# Altium PCB mib-pcb0009.PcbDoc (part 1 of 2) (continued)
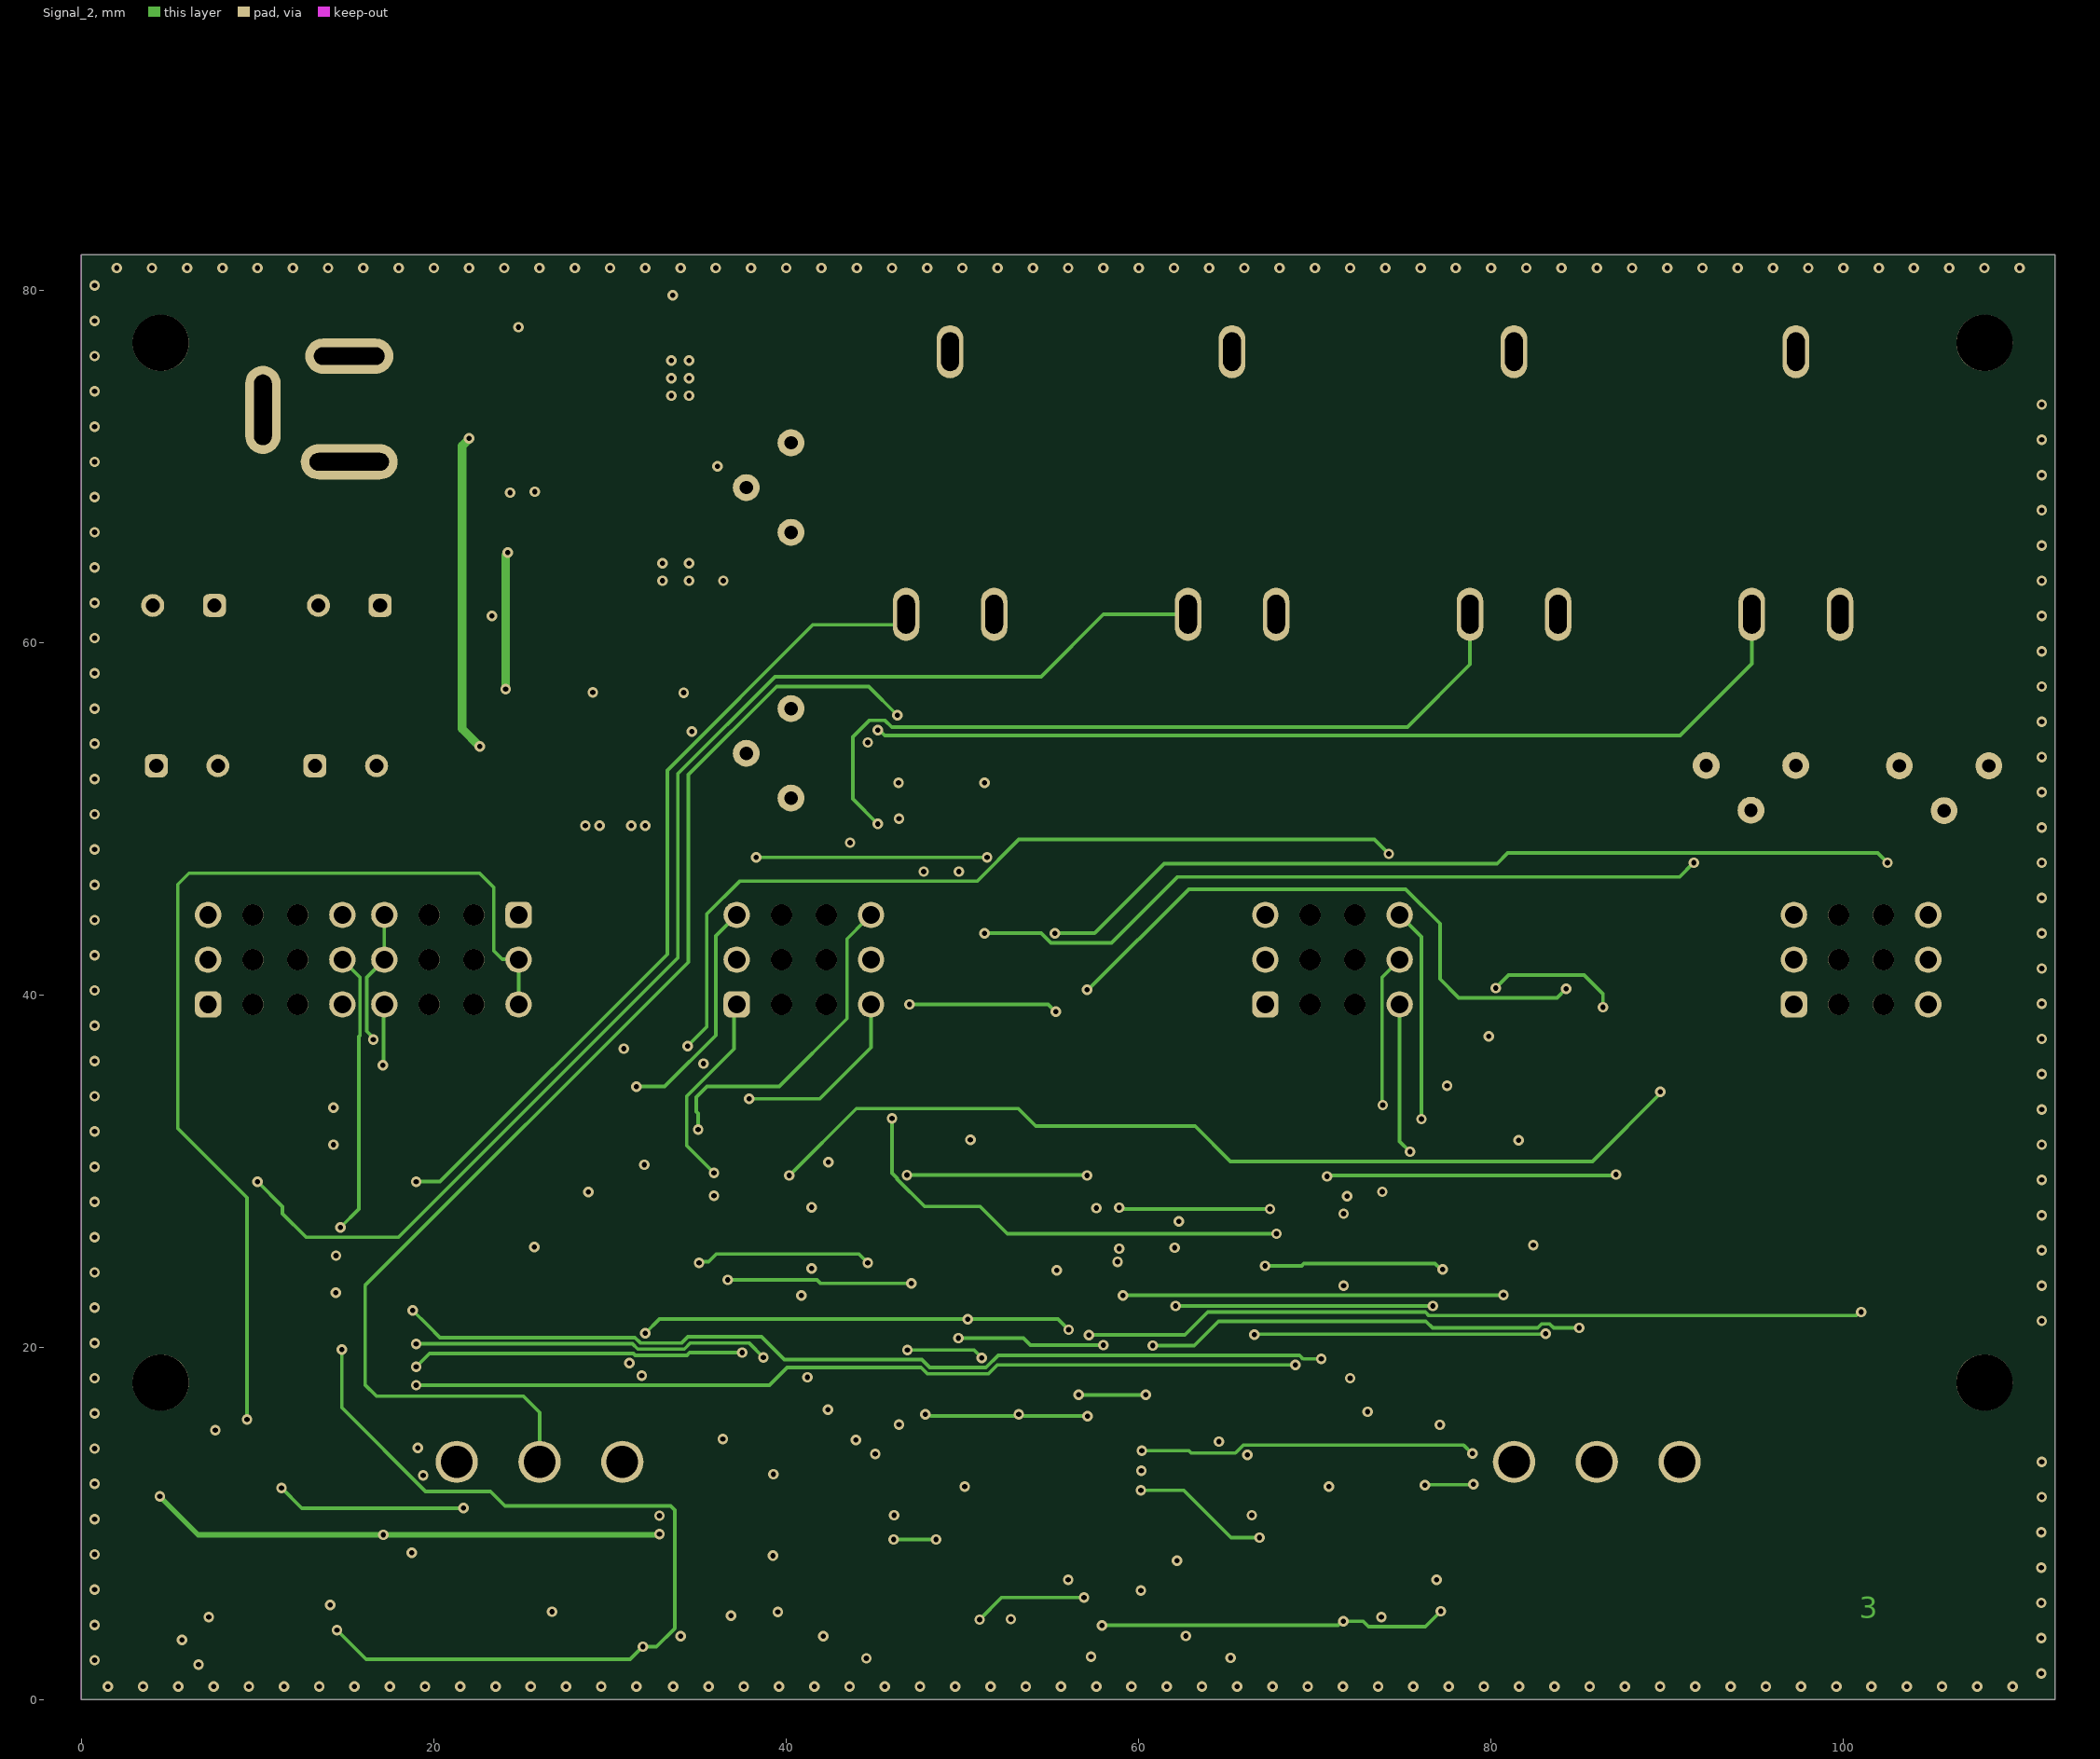
[diagram p3: Signal_2]
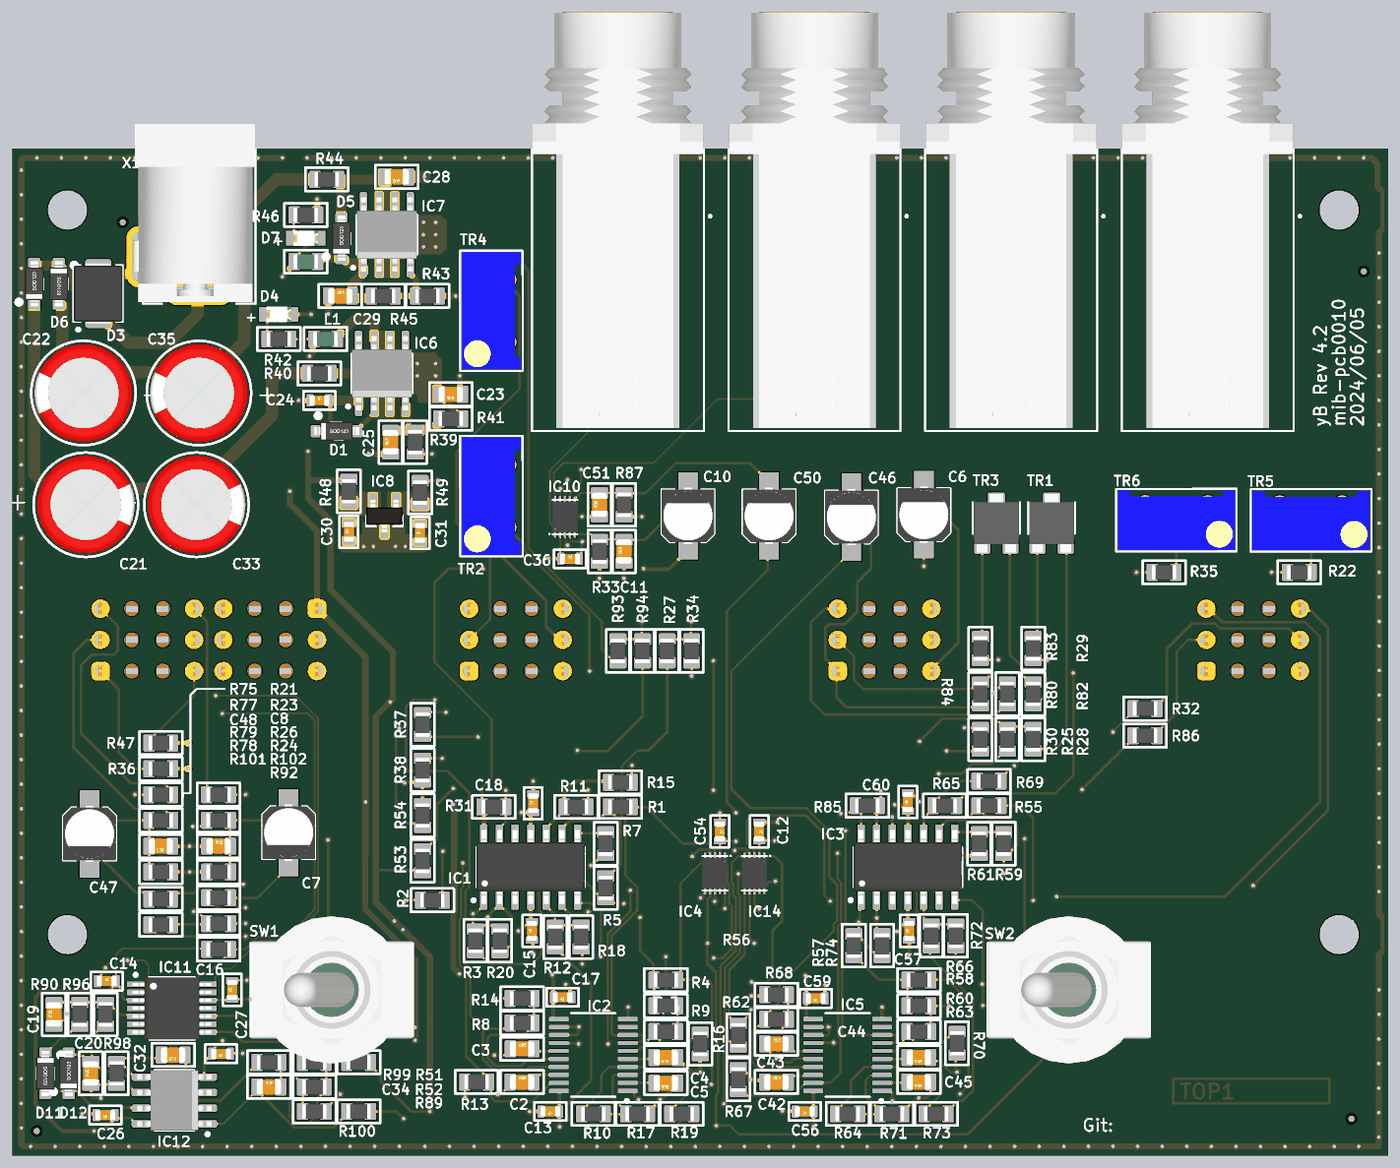
[diagram p5: 3D render of the assembled board from above, using the file's embedded part models]
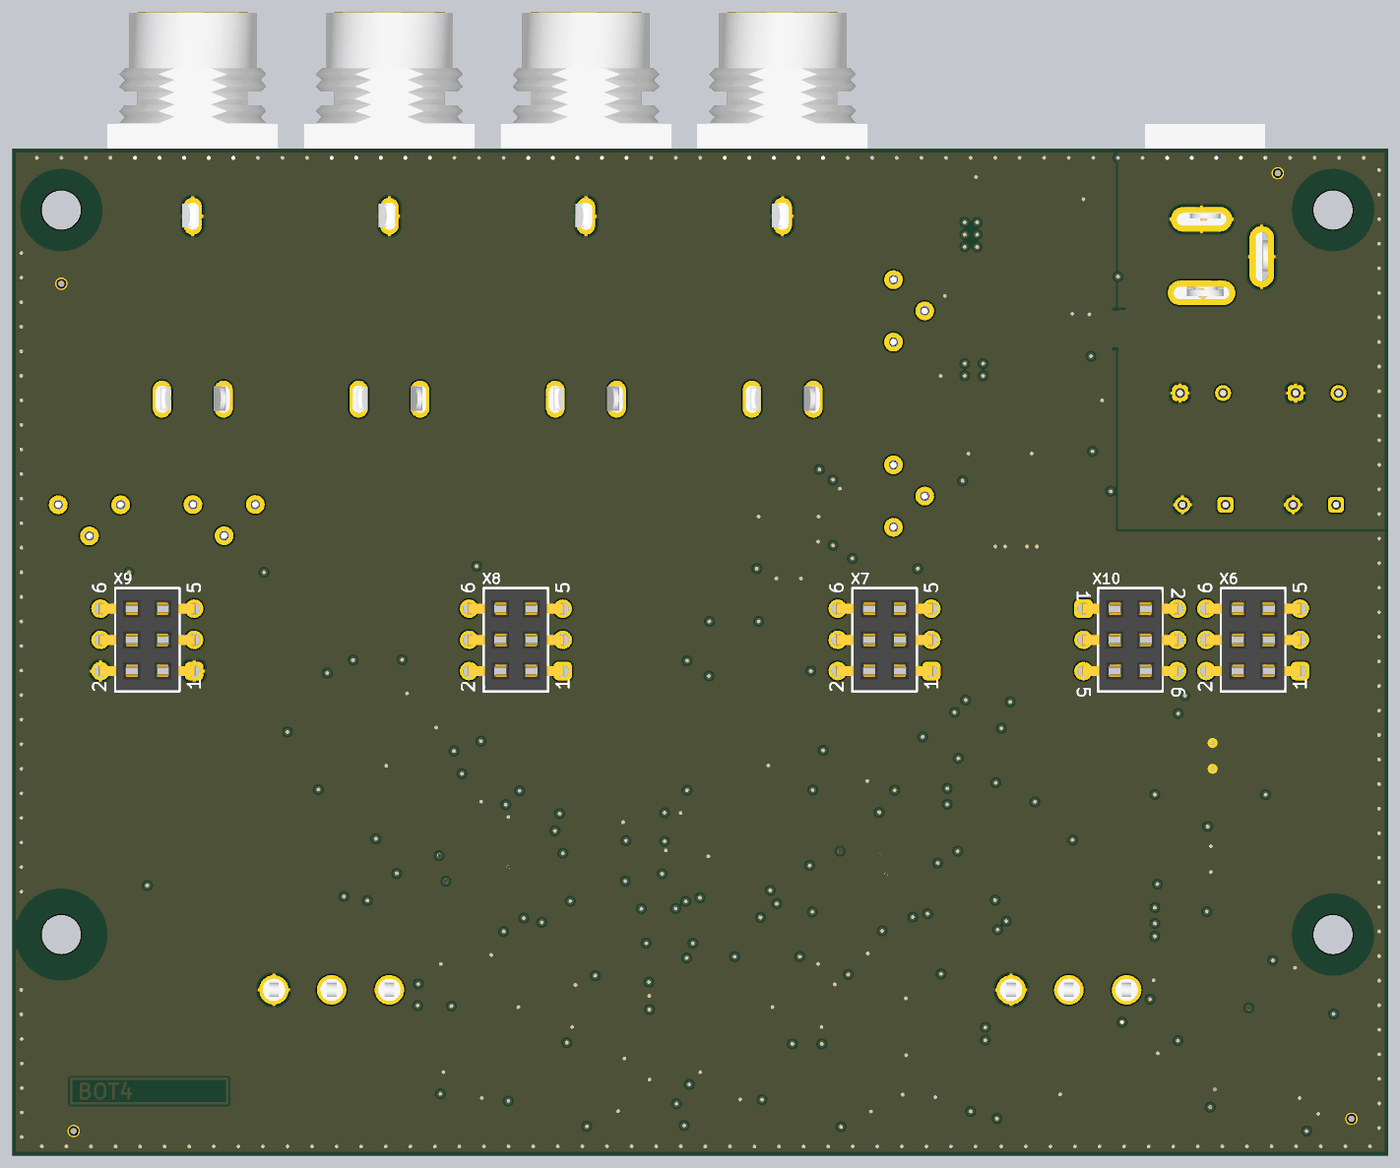
[diagram p6: 3D render of the assembled board from below, using the file's embedded part models]

## Layer stack, top to bottom
Top Solder: solder mask 0.0254, Solder Resist, Dk 3.5
Top Layer: signal copper 0.035
Dielectric 2: prepreg 0.2, PP-006, Dk 4.1
PWR: signal copper 0.0175
Dielectric 1: core 1.065, FR-4, Dk 4.6
Signal_2: signal copper 0.0175
Dielectric 3: prepreg 0.2, PP-006, Dk 4.1
Bottom Layer: signal copper 0.035
Bottom Solder: solder mask 0.0254, Solder Resist, Dk 3.5

## Board outline
0,82 112,82 112,0 0,0

## Design rules (kind name [scope] priority, off if disabled: settings)
BoardOutlineClearance BoardOutlineClearanceOverlay [OnLayer('Top Overlay')] p1: gap=0 ignorepadtopadclearanceinfootprint=FALSE
BoardOutlineClearance BoardOutlineClearance_1 [All] p2: gap=0.3 ignorepadtopadclearanceinfootprint=FALSE except(0: Text-OutlineEdge Text-CavityEdge Text-CutoutEdge Text-SplitBarrior Text-SplitContinuation)
Clearance Clearance_1 [All] p1: gap=0.15 ignorepadtopadclearanceinfootprint=FALSE
Clearance [All] p2 off: gap=0.15 ignorepadtopadclearanceinfootprint=FALSE
ComponentClearance [All] p1: gap=0.1 collisioncheckmode=3 verticalgap=0.1 showdistances=FALSE
Height [All] p1: minheight=0 maxheight=80 prefheight=12.7
HoleSize [All] p1: absolutevalues=TRUE maxlimit=5 minlimit=0.025 maxpercent=80.000 minpercent=20.000
MinimumSolderMaskSliver [All] p1: minsoldermaskwidth=0.1
PlaneClearance [All] p1: clearance=0.5
PlaneConnect PlaneConnect_Top [OnLayer('Top Layer')] p1: pad.planeconnectstyle=NoConnect pad.reliefexpansion=0.508 pad.reliefentries=4 pad.reliefconductorwidth=0.254 pad.reliefairgap=0.254 via.planeconnectstyle=Direct via.reliefexpansion=0.508 via.reliefentries=4 via.reliefconductorwidth=0.254 via.reliefairgap=0.254
PlaneConnect [All] p2: planeconnectstyle=Relief reliefexpansion=0.508 reliefentries=4 reliefconductorwidth=0.254 reliefairgap=0.254
PolygonConnect [IsVia] p1: connectstyle=Direct reliefconductorwidth=0.254 reliefentries=4 polygonreliefangle="90 Angle" airgapwidth=0.254
PolygonConnect PolygonConnect_1 [All] p2: thpad.connectstyle=Relief thpad.reliefconductorwidth=0.254 thpad.reliefentries=4 thpad.polygonreliefangle="90 Angle" thpad.airgapwidth=0.254 smdpad.connectstyle=NoConnect smdpad.reliefconductorwidth=0.254 smdpad.reliefentries=4 smdpad.polygonreliefangle="90 Angle" smdpad.airgapwidth=0.254 via.connectstyle=Direct via.reliefconductorwidth=0.254 via.reliefentries=4 via.polygonreliefangle="90 Angle" via.airgapwidth=0.254
RoutingVias [All] p1: holewidth=0.3 width=0.6 viastyle="Through Hole" minholewidth=0.3 minwidth=0.6 maxholewidth=0.3 maxwidth=0.6
SilkToSilkClearance [All] p1: silktosilkclearance=0
SolderMaskExpansion [All] p1: expansion=0.102 istentingtop=FALSE
Width [All] p1: maxlimit=1 minlimit=0.15 preferedwidth=0.3 minimp=50.000000 maximp=50.000000 favimp=50.000000
23 further rules are at their usual default settings.

## Classes and differential pairs
component class Filter_R: C2 C3 C4 C5 C6 C7 C8 C10 C11 C12 C13 C15 C17 C18 IC1 IC2 IC4 R1 R2 R3 R4 R5 R6 R7 R8 R9 R10 R11 R12 R13 R14 R15 R16 R17 R18 R19 R20 R21 R22 R23 R24 R25 R26 R27 R28 R29 R30 R31 R32 R33 R34 R37 R38 R47 TR1 TR2 TR5
component class LED-Meter: C14 C16 C19 C20 C26 C27 C32 C34 D11 D12 IC11 IC12 R50 R51 R52 R89 R90 R92 R96 R98 R99 R100 R101 R102 X10
component class Filter_L: C42 C43 C44 C45 C46 C47 C48 C50 C51 C54 C56 C57 C59 C60 IC3 IC5 IC14 R35 R36 R53 R54 R55 R56 R57 R58 R59 R60 R61 R62 R63 R64 R65 R66 R67 R68 R69 R70 R71 R72 R73 R74 R75 R77 R78 R79 R80 R82 R83 R84 R85 R86 R87 R93 R94 TR3 TR4 TR6 X6 X7 X8 X9
component class Connector: C36 IC10 NPN1 NPN2 NPN3 NPN4 NPN5 NPN6 NPN7 NPN8 NPN9 NPN10 NPN11 NPN12 SW1 SW2 X2 X3 X4 X5
component class Power: C21 C22 C23 C24 C25 C28 C29 C30 C31 C33 C35 D1 D3 D4 D5 D6 D7 D20 IC6 IC7 IC8 L1 L2 NT1 R39 R40 R41 R42 R43 R44 R45 R46 R48 R49 X1

## Components (designator, comment, footprint, x,y, rotation, side; value= is the part's Value field where it differs from the comment)
C2 "1nF" CAPC2012X145N 41.5,6 r0 top
C3 "1nF" CAPC2012X145N 41.5,8.7 r0 top
C4 "1nF" CAPC2012X145N 53.2,8 r180 top
C5 "1nF" CAPC2012X145N 53.2,5.9 r180 top
C6 "4u7" CAPAE4643X54M 74.2,52.2 r90 top
C7 "4u7" CAPAE4643X54M 22.5,26.3 r270 top
C8 "100pF" CAPC2012X145N 16.8,25.2 r0 top
C10 "4u7" CAPAE4643X54M 55,52.1 r90 top
C11 "680pF" CAPC2012X145N 49.8,49.2 r90 top
C12 "100nF" CAPC1608X95N 60.8,26.4 r270 top
C13 "100nF" CAPC1608X95N 43.8,3.6 r180 top
C14 "100nF" CAPC1608X95N 7.7,14.2 r0 top
C15 "100nF" CAPC1608X95N 42.3,18.3 r90 top
C16 "100nF" CAPC1608X95N 17.9,13.5 r90 top
C17 "100nF" CAPC1608X95N 44.8,12.9 r180 top
C18 "100nF" CAPC1608X95N 42.4,28.7 r90 top
C19 "1uF" CAPC2012X145N 3.4,11.5 r90 top
C20 "22u" CAPC2012X145N 6.4,6.7 r90 top value=22uF
C21 "470uF, 25V" WCAP-ATG8_D8H11.5 6,53 r180 top
C22 "470uF, 25V" WCAP-ATG8_D8H11.5 5.8,62.1 r0 top
C23 "1uF" CAPC2012X145N 35.7,62 r180 top
C24 "100nF" CAPC1608X95N 25,61.5 r0 top
C25 "10uF" CAPC2012X145N 30.8,58.1 r90 top
C26 "100nF" CAPC1608X95N 7.6,3.3 r180 top
C27 "100nF" CAPC1608X95N 17,8.3 r180 top
C28 "1uF" CAPC2012X145N 31.3,79.7 r180 top
C29 "1uF" CAPC2012X145N 26.7,70 r0 top
C30 "100nF" CAPC1608X95N 27.4,50.8 r90 top
C31 "100nF" CAPC1608X95N 33.2,50.7 r90 top
C32 "22u" CAPC2012X145N 13.1,8.2 r180 top value=22uF
C33 "470uF, 25V" WCAP-ATG8_D8H11.5 15,53 r180 top
C34 "22u" CAPC2012X145N 20.9,5.6 r0 top value=22uF
C35 "470uF, 25V" WCAP-ATG8_D8H11.5 15.2,62.1 r0 top
C36 "100nF" CAPC1608X95N 45.4,48.6 r0 top
C42 "1nF" CAPC2012X145N 62.2,6 r0 top
C43 "1nF" CAPC2012X145N 62.2,9.1 r0 top
C44 "1nF" CAPC2012X145N 73.8,8 r180 top
C45 "1nF" CAPC2012X145N 73.8,6 r180 top
C46 "4u7" CAPAE4643X54M 68.3,52 r90 top
C47 "4u7" CAPAE4643X54M 6.3,26.2 r270 top
C48 "100pF" CAPC2012X145N 12.1,25.2 r180 top
C50 "4u7" CAPAE4643X54M 61.6,52.1 r90 top
C51 "680pF" CAPC2012X145N 47.8,53 r90 top
C54 "100nF" CAPC1608X95N 57.6,26.4 r270 top
C56 "100nF" CAPC1608X95N 64.5,3.6 r180 top
C57 "100nF" CAPC1608X95N 73,18.3 r90 top
C59 "100nF" CAPC1608X95N 65.4,12.8 r180 top
C60 "100nF" CAPC1608X95N 72.9,28.8 r90 top
D1 "1N4148W-7-F" SOD-123 26.4,59 r0 top
D3 "SMBJ18CAHE3_A/I" DIOM4336X24N 7,70.2 r90 top
D4 "RED" WL-SMCW_0805 21.7,68.5 r180 top
D5 "1N4148W-7-F" SOD-123 26.8,74.7 r90 top
D6 "1N4148W-7-F" SOD-123 3.8,71 r270 top
D7 "RED" WL-SMCW_0805 23.9,74.7 r180 top
D11 "1N4148W" SOD-123 2.7,6.7 r270 top
D12 "1N4148W" SOD-123 4.6,6.7 r90 top
D20 "1N4148W-7-F" SOD-123 1.8,71 r90 top
IC1 "TL074" SOIC127P600X175-14N 42.2,23.5 r90 top
IC2 "SSI2140" SOP65P650-20N 47.3,8.2 r180 top
IC3 "TL074" SOIC127P600X175-14N 72.9,23.5 r90 top
IC4 "MAX14689AETB+T" QFN40P200X250X80_HS-11N 57.2,23 r180 top
IC5 "SSI2140" SOP65P650-20N 68,8.2 r180 top
IC6 "LM317LIDR" SOIC127P600X175-8N 30.1,63.7 r90 top
IC7 "LM337LMX/NOPB" SOIC127P600X175-8N 30.5,75 r90 top
IC8 "TLV76050DBZT" SOT95P280X135-3N_123 30.3,52.1 r270 top
IC10 "MAX14689AETB+T" QFN40P200X250X80_HS-11N 45,52 r0 top
IC11 "LM2901PT" TSOP65P640X105-14N 13,12 r0 top
IC12 "TL072" SOIC127P600X175-8N 13.2,4.5 r180 top
IC14 "MAX14689AETB+T" QFN40P200X250X80_HS-11N 60.4,23 r180 top
L1 "600R" INDC2012X85N 25.5,66.5 r180 top
L2 "600R" INDC2012X85N 23.9,72.8 r180 top
LF "" LAGENKENNER_4MLL 94.4,4.15 r0 top
NPN1 "NPN_3.2mm" HOLE_NPH_3.2_M3#1 4.5,77 r90 top
NPN2 "FID" Fiducial_1mm 107,2 r90 bottom
NPN3 "FID" Fiducial_1mm 108,71 r90 bottom
NPN4 "FID" Fiducial_1mm 3,3 r90 bottom
NPN5 "FID" Fiducial_1mm 9,80 r90 bottom
NPN6 "NPN_3.2mm" HOLE_NPH_3.2_M3#1 108,77 r90 top
NPN7 "NPN_3.2mm" HOLE_NPH_3.2_M3#1 108,18 r90 top
NPN8 "FID" Fiducial_1mm 2,2 r180 top
NPN9 "FID" Fiducial_1mm 109,3 r180 top
NPN10 "FID" Fiducial_1mm 110,72 r180 top
NPN11 "FID" Fiducial_1mm 9,76 r180 top
NPN12 "NPN_3.2mm" HOLE_NPH_3.2_M3#2 4.5,20 r90 top
NT1 "NetTie_3mm" NET_TIE_3MM 22.15,67.3 r180 bottom net-tie
R1 "10k" RESC2012X70N 49.5,28.4 r0 top
R2 "10k" RESC2012X70N 34.2,20.8 r180 top
R3 "10k" RESC2012X70N 37.7,17.5 r270 top
R4 "10k" RESC2012X70N 53.2,14.3 r0 top
R5 "10k" RESC2012X70N 48.3,21.8 r90 top
R6 "10k" RESC2012X70N 53.2,12.2 r180 top
R7 "10k" RESC2012X70N 48.3,25.4 r270 top
R8 "10k" RESC2012X70N 41.5,10.8 r0 top
R9 "10k" RESC2012X70N 53.2,10.1 r180 top
R10 "10k" RESC2012X70N 47.3,3.4 r0 top
R11 "0Ω ±1%" RESC2012X70N 45.9,28.4 r180 top
R12 "0Ω ±1%" RESC2012X70N 44.2,17.8 r90 top
R13 "200R" RESC2012X70N 37.8,6 r0 top
R14 "200R" RESC2012X70N 41.5,12.8 r0 top
R15 "4k99" RESC2012X70N 49.5,30.4 r180 top
R16 "200R" RESC2012X70N 56,9.1 r90 top
R17 "200R" RESC2012X70N 50.9,3.4 r180 top
R18 "4k99" RESC2012X70N 46.3,17.8 r90 top
R19 "10k" RESC2012X70N 54.5,3.4 r0 top
R20 "10k" RESC2012X70N 39.7,17.5 r270 top
R21 "0Ω ±1%" RESC2012X70N 16.8,29.4 r180 top
R22 "200k" RESC2012X70N 104.75,47.5 r0 top
R23 "100R" RESC2012X70N 16.8,27.3 r0 top
R24 "4k7" RESC2012X70N 16.8,21 r0 top
R25 "10k" RESC2012X70N 81,33.9 r270 top
R26 "220k" RESC2012X70N 16.8,23.1 r0 top
R27 "47k" RESC2012X70N 53.3,41.1 r270 top
R28 "0Ω ±1%" RESC2012X70N 83.1,33.9 r270 top
R29 "1k" RESC2012X70N 83.1,41.3 r90 top
R30 "10k" RESC2012X70N 78.8,33.9 r270 top
R31 "10k" RESC2012X70N 39.2,28.4 r0 top
R32 "4k7" RESC2012X70N 92.2,36.4 r0 top
R33 "10k" RESC2012X70N 47.8,49.2 r90 top
R34 "0Ω ±1%" RESC2012X70N 55.3,41.1 r90 top
R35 "200k" RESC2012X70N 93.75,47.5 r0 top
R36 "100R" RESC2012X70N 12.1,31.5 r180 top
R37 "10k" RESC2012X70N 33.4,35.1 r90 top
R38 "10k" RESC2012X70N 33.4,31.4 r90 top
R39 "1k5" RESC2012X70N 32.8,58.1 r90 top
R40 "0R" RESC2012X70N 25,63.7 r0 top
R41 "240R" RESC2012X70N 35.7,60 r0 top
R42 "1k1" RESC2012X70N 21.7,66.5 r0 top
R43 "1k5" RESC2012X70N 33.8,70 r180 top
R44 "0R" RESC2012X70N 25.6,79.5 r0 top
R45 "240R" RESC2012X70N 30.2,70 r180 top
R46 "1k1" RESC2012X70N 23.9,76.6 r0 top
R47 "100R" RESC2012X70N 12.1,33.6 r180 top
R48 "0R" RESC2012X70N 27.4,54.1 r270 top
R49 "0R" RESC2012X70N 33.2,54 r90 top
R50 "10k" RESC2012X70N 28.2,7.6 r0 top
R51 "4k7" RESC2012X70N 24.6,7.6 r180 top
R52 "1k8" RESC2012X70N 24.6,5.6 r0 top
R53 "10k" RESC2012X70N 33.4,24 r270 top
R54 "10k" RESC2012X70N 33.4,27.7 r270 top
R55 "10k" RESC2012X70N 79.5,28.5 r0 top
R56 "10k" RESC2012X70N 59.1,9.8 r90 top
R57 "10k" RESC2012X70N 68.5,17.1 r270 top
R58 "10k" RESC2012X70N 73.8,14.3 r0 top
R59 "10k" RESC2012X70N 80.7,25.4 r270 top
R60 "10k" RESC2012X70N 73.8,12.2 r180 top
R61 "10k" RESC2012X70N 78.7,25.4 r270 top
R62 "10k" RESC2012X70N 62.2,11.1 r0 top
R63 "10k" RESC2012X70N 73.8,10.1 r180 top
R64 "10k" RESC2012X70N 68,3.4 r0 top
R65 "0Ω ±1%" RESC2012X70N 75.9,28.5 r180 top
R66 "0Ω ±1%" RESC2012X70N 74.8,17.9 r90 top
R67 "200R" RESC2012X70N 59.1,6.2 r270 top
R68 "200R" RESC2012X70N 62.2,13.1 r0 top
R69 "4k99" RESC2012X70N 79.5,30.5 r180 top
R70 "200R" RESC2012X70N 76.9,9.15 r90 top
R71 "200R" RESC2012X70N 71.6,3.4 r180 top
R72 "4k99" RESC2012X70N 76.8,17.9 r90 top
R73 "10k" RESC2012X70N 75.2,3.4 r0 top
R74 "10k" RESC2012X70N 70.8,17.1 r90 top
R75 "0Ω ±1%" RESC2012X70N 12.1,29.4 r0 top
R77 "100R" RESC2012X70N 12.1,27.3 r180 top
R78 "4k7" RESC2012X70N 12.1,20.9 r180 top
R79 "220k" RESC2012X70N 12.1,23.1 r180 top
R80 "10k" RESC2012X70N 78.8,37.6 r270 top
R82 "0Ω ±1%" RESC2012X70N 83.1,37.6 r270 top
R83 "1k" RESC2012X70N 78.8,41.3 r90 top
R84 "10k" RESC2012X70N 81,37.6 r90 top
R85 "10k" RESC2012X70N 69.6,28.5 r0 top
R86 "4k7" RESC2012X70N 92.2,34.2 r0 top
R87 "10k" RESC2012X70N 49.8,53 r90 top
R89 "1k" RESC2012X70N 24.6,3.6 r180 top
R90 "75R" RESC2012X70N 5.5,11.5 r90 top
R92 "220R" RESC2012X70N 16.8,16.8 r0 top
R93 "0Ω ±1%" RESC2012X70N 49.3,41.1 r90 top
R94 "47k" RESC2012X70N 51.3,41.1 r270 top
R96 "82k" RESC2012X70N 7.6,11.5 r90 top
R98 "18k" RESC2012X70N 8.5,6.7 r90 top
R99 "39k" RESC2012X70N 20.9,7.6 r180 top
R100 "100k" RESC2012X70N 28.2,3.6 r180 top
R101 "100k" RESC2012X70N 12.1,18.8 r0 top
R102 "100k" RESC2012X70N 16.8,18.9 r180 top
SW1 "M2012SS1W03" M2012SS1W03 26,13.5 r270 top locked
SW2 "M2012SS1W03" M2012SS1W03 86,13.5 r270 top locked
TR1 "2k" PVG3G503C01R00 84.6,51.5 r0 top
TR2 "10k" 3296Y 39,53.71 r90 top
TR3 "2k" PVG3G503C01R00 80.1,51.5 r0 top
TR4 "10k" 3296Y 39,68.79 r90 top
TR5 "10k" 3296Y 105.71,51.73 r180 top
TR6 "10k" 3296Y 94.75,51.75 r180 top
X1 "PJ-002AH" PJ3L1400H110 15.2,73.2 r90 top
X2 "SJ-63053A" CUI_SJ-63053A 65.3,76.5 r270 top
X3 "SJ-63053A" CUI_SJ-63053A 49.3,76.5 r270 top
X4 "SJ-63053A" CUI_SJ-63053A 97.3,76.5 r270 top
X5 "SJ-63053A" CUI_SJ-63053A 81.3,76.5 r270 top
X6 "HDR 2x3 Bottom Entry" 613006216921-poti 11,42 r90 bottom
X7 "HDR 2x3 Bottom Entry" 613006216921-poti 41,42 r90 bottom
X8 "HDR 2x3 Bottom Entry" 613006216921-poti 71,42 r90 bottom
X9 "HDR 2x3 Bottom Entry" 613006216921-poti 101,42 r90 bottom
X10 "HDR 2x3 Bottom Entry" 613006216921-poti 21,42 r270 bottom locked

## Footprints (in the part's own frame and the unit in brackets; to place one, negate y for a bottom-side part, rotate by r counter-clockwise, add the part's x,y. Pads: shape width x height; smd on the part's side, far side on the other; paste and mask are expansions set on the pad)
3296Y [mil]
  round 60 hole 30: 1(100,-50) 2(0,50) 3(-100,-50)
  silkscreen extent -193,-100 193,100, body extent -188,-95 188,95, height 455
613006216921-poti [mm] "Socket Header, Pitch 2.54 mm, THT, Vertical, dual row, 6p"
  rrect50% 1.5x1.5 hole 1: 1(-2.54,-3.81)
  round 1.5 hole 1: 2(0,-3.81) 3(2.54,-3.81) 4(-2.54,3.81) 5(0,3.81) 6(2.54,3.81)
  round 1.2 hole 1.2 unplated: MH1(-2.54,-1.27) MH2(-2.54,1.27) MH3(0,-1.27) MH4(0,1.27) MH5(2.54,-1.27) MH6(2.54,1.27)
  silkscreen extent -4.21,-2.62 4.21,2.62, body extent -4.06,-3.93 4.06,3.94, height 5.02
CAPAE4643X54M [mm] "Aluminum Electrolytic Capacitor, Body 4,30x4,30x5,40mm, IPC Low Density"
  rect 2.8x1.6 smd: 1(-2.15,0) 2(2.15,0)
  silkscreen extent -2.15,-2.15 2.15,2.15, body extent -2.3,-2.15 2.3,2.15, height 5.4
CAPC1608X95N [mm] "Chip Capacitor, 2-Leads, Body 1,6x0,8mm, imperial 0603"
  rrect25% 0.6x1 smd: 1(-0.75,0) 2(0.75,0)
  silkscreen extent -1.3,-0.75 1.3,0.75, body extent -0.8,-0.4 0.8,0.4, height 0.3
CAPC2012X145N [mm] "Chip Capacitor, 2-Leads, Body 2,0x1,25mm, imperial 0805"
  rrect25% 0.95x1.4 smd: 1(-0.95,0) 2(0.95,0)
  silkscreen extent -1.75,-0.95 1.75,0.95, body extent -1,-0.62 1,0.63, height 0.78
CUI_SJ-63053A [mm]
  oval 3.016x1.508 hole 1 slot 2.2 at 0 deg: 1(0,0) 2(14.9,-2.5) 3(14.9,2.5)
  silkscreen extent -16.5,-7 17.5,7.6, body extent -16.6,-6.95 17.25,6.95, height 12.7
DIOM4336X24N [mm] "Molded Diode, 2-Leads, Body 4,31x3,62mm, IPC Medium Density"
  rrect25% 2.45x2.15 smd: A(1.575,0) K(-1.575,0)
  silkscreen extent -3.06,-2 2.3,2, body extent -2.5,-1.97 2.5,1.97, height 2.44
Fiducial_1mm [mm]
  round 0.5 smd mask+0.25: 0(0,0)
  Top Layer keep-out circle w0.01: c0,0 r0.516
HOLE_NPH_3.2_M3#1 [mm]
  round 3.2 hole 3.2 unplated: 8(0,0)
HOLE_NPH_3.2_M3#2 [mm]
  round 3.2 hole 3.2 unplated: 8(-2,0)
INDC2012X85N [mm] "Chip Inductor, 2-Leads, Body 2,0x1,25mm, imperial 0805"
  rrect25% 0.95x1.4 smd: 1(-0.95,0) 2(0.95,0)
  silkscreen extent -1.75,-0.95 1.75,0.95, body extent -1,-0.6 1,0.6, height 0.85
LAGENKENNER_4MLL [mm] "Pin Header, pitch 2.54 mm, THT, Vertical, single row, 2p"
  Top Layer lines w0.2: 0.1,0.1 12.8,0.1 12.8,2.1 0.1,2.1 0.1,0.1
  Bottom Layer lines w0.2: 0.1,0.1 12.8,0.1 12.8,2.1 0.1,2.1 0.1,0.1
  Multi-Layer pour cut-out: 0,2.2 0,0 12.9,0 12.9,2.2
M2012SS1W03 [mm] "Kippschalter DPDT Panelmontage"
  round 2.4 hole 1.8: 1(0,-4.7) 2(0,0) 3(0,4.7)
  silkscreen extent -3.81,-6.6 3.79,6.6, body extent -5.99,-6.5 5.99,6.5, height 30.78
NET_TIE_3MM [mm] "NET_TIE_3MM"
  rect 0.6x3 smd paste-10 mask-10: 1(-0.25,0) 2(0.25,0)
PJ3L1400H110 [mm] "Powerjack, Pin 1.95mm"
  rrect100% 2x5.5 hole 1 slot 4.5 at 90 deg: 1(-2.95,0)
  rrect100% 2x5 hole 1 slot 4 at 90 deg: 2(3.05,0)
  rrect100% 5x2 hole 1 slot 4 at 0 deg: 3(0,4.9)
  silkscreen extent -3.82,-4.6 10.84,4.58, body extent -3.69,-4.6 10.8,5.4, height 11.01
PVG3G503C01R00 [mm]
  rrect25% 1.3x1.2 smd: 1(1.15,-1.9) 3(-1.15,-1.9)
  rrect25% 1.4x1.3 smd: 2(0,1.85)
  silkscreen extent -1.91,-0.86 1.91,1.69, body extent -1.8,-2.39 1.8,2.37, height 2.35
QFN40P200X250X80_HS-11N [mm] "QFN, 10-Leads, Body 2,00x2,50mm, Pitch 0,40mm, Thermal Pad 1,30x1,40mm, IPC Medium Density"
  rrect25% 0.2x0.6 smd mask+0.05: 1(-0.8,-1.375) 2(-0.4,-1.375) 3(0,-1.375) 4(0.4,-1.375) 5(0.8,-1.375) 6(0.8,1.375) 7(0.4,1.375) 8(0,1.375) 9(-0.4,1.375) 10(-0.8,1.375)
  rrect25% 1.4x1.3 smd mask+0.05: 11(0,0)
  silkscreen extent -1.32,-1.45 1,1.4, body extent -1,-1.25 1,1.24, height 0.81
RESC2012X70N [mm] "Chip Resistor, 2-Leads, Body 2,0x1,25mm, imperial 0805"
  rrect25% 0.95x1.4 smd: 1(-0.95,0) 2(0.95,0)
  silkscreen extent -1.75,-0.95 1.75,0.95, body extent -1,-0.6 1,0.6, height 0.7
SOD-123 [mm]
  rrect25% 1.25x1 smd: 1(1.475,0) 2(-1.475,0)
  silkscreen extent -1.7,-0.7 0.5,1.45, body extent -1.85,-0.77 1.85,0.78, height 1.35
SOIC127P600X175-8N [mm] "SOIC, 8-Leads, Body 5,0x4,0mm (max), Pitch 1,27mm, IPC Medium Density"